# Altium PCB VM3300_V0.1.PcbDoc (part 1 of 2)
Units mil, origin at the board's own origin, x right, y up, seen from the top; angles counter-clockwise.
Board outline 5128.14 x 5521.84 mil, 2 copper layers (Top Layer, Bottom Layer), stack 61.855 mil thick; 144 components, 95 nets, 446 pads, 255 vias.
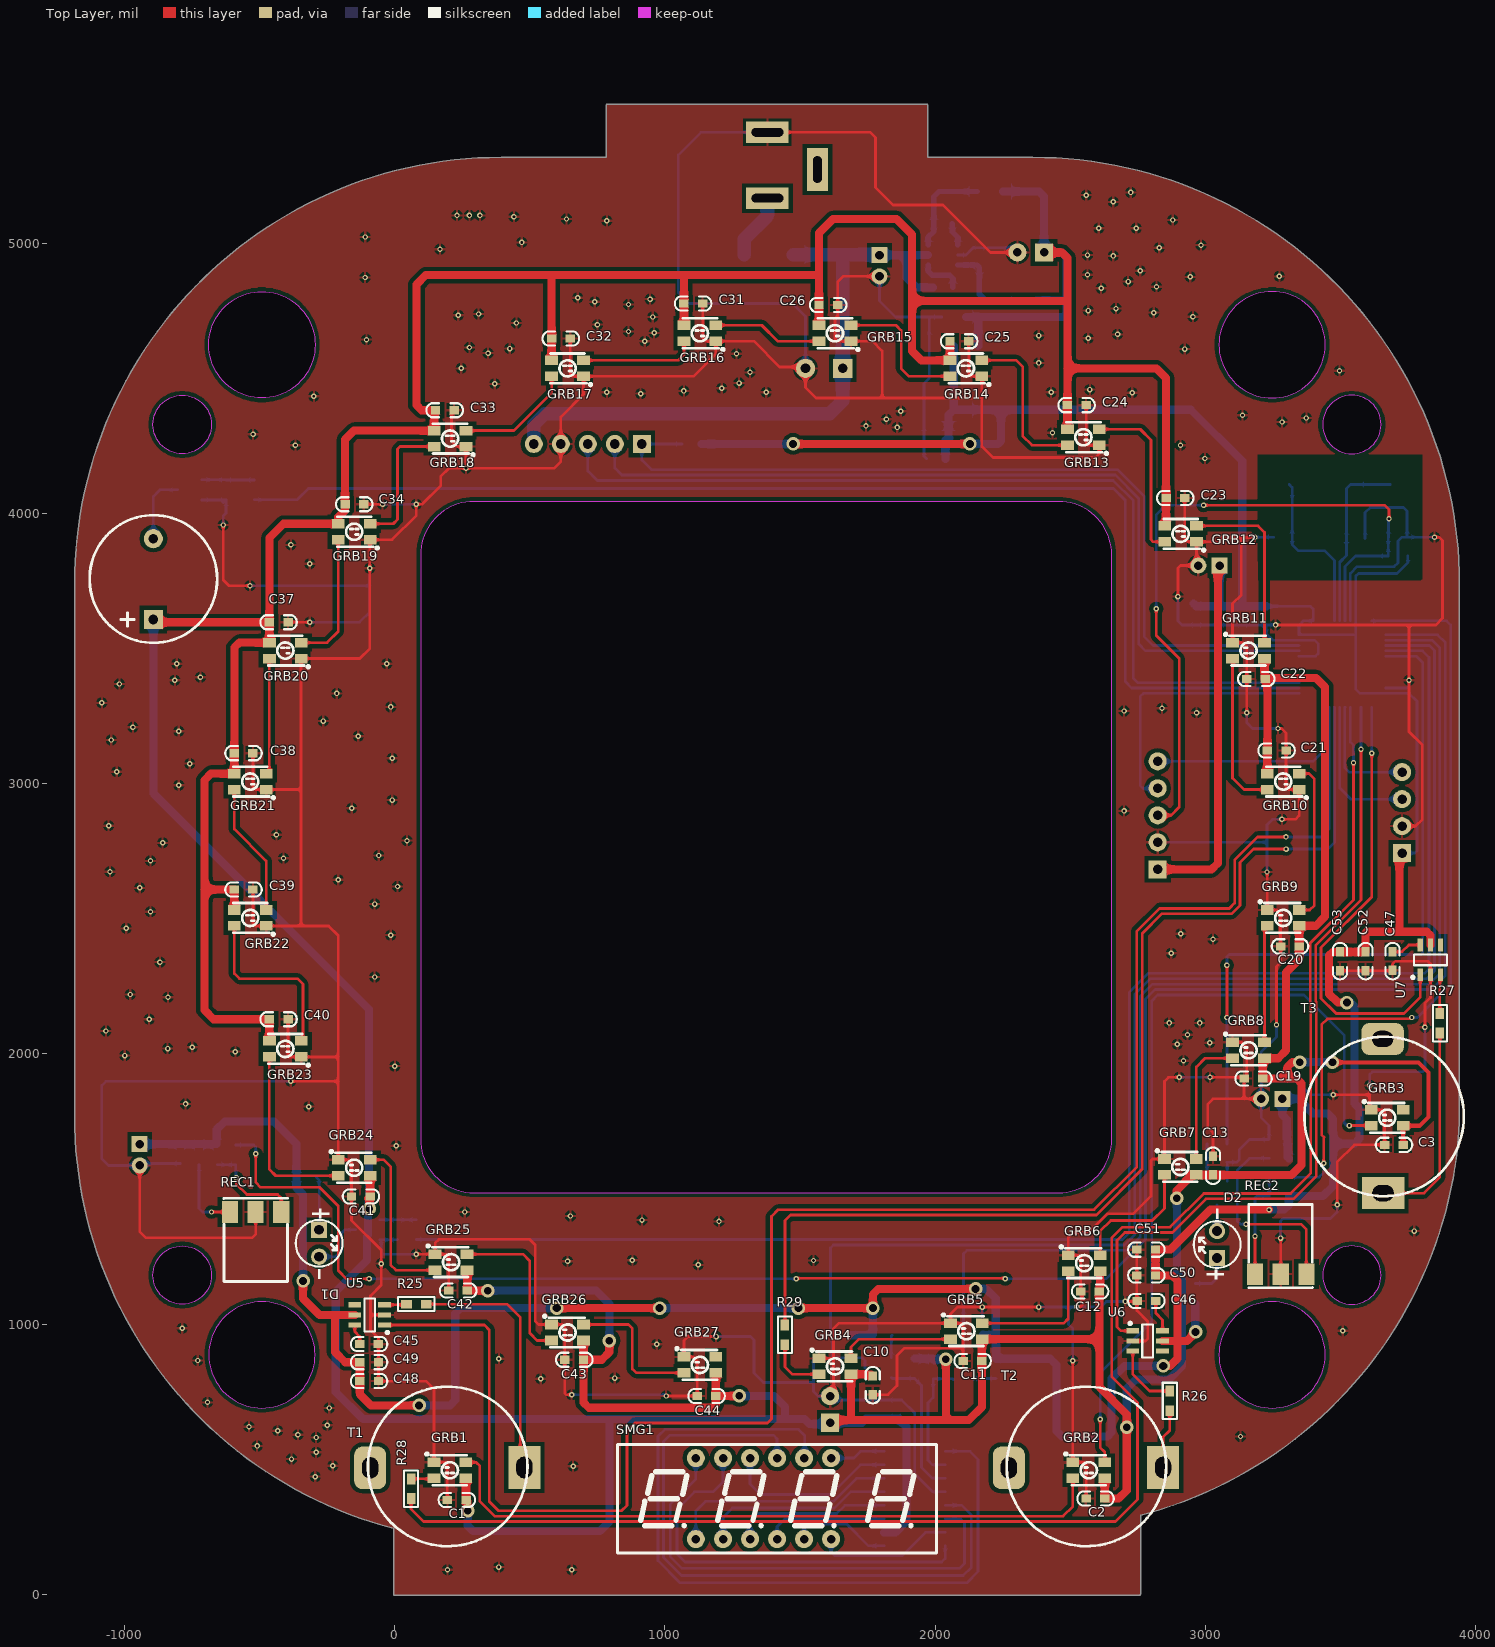
[diagram p0: Top Layer view]
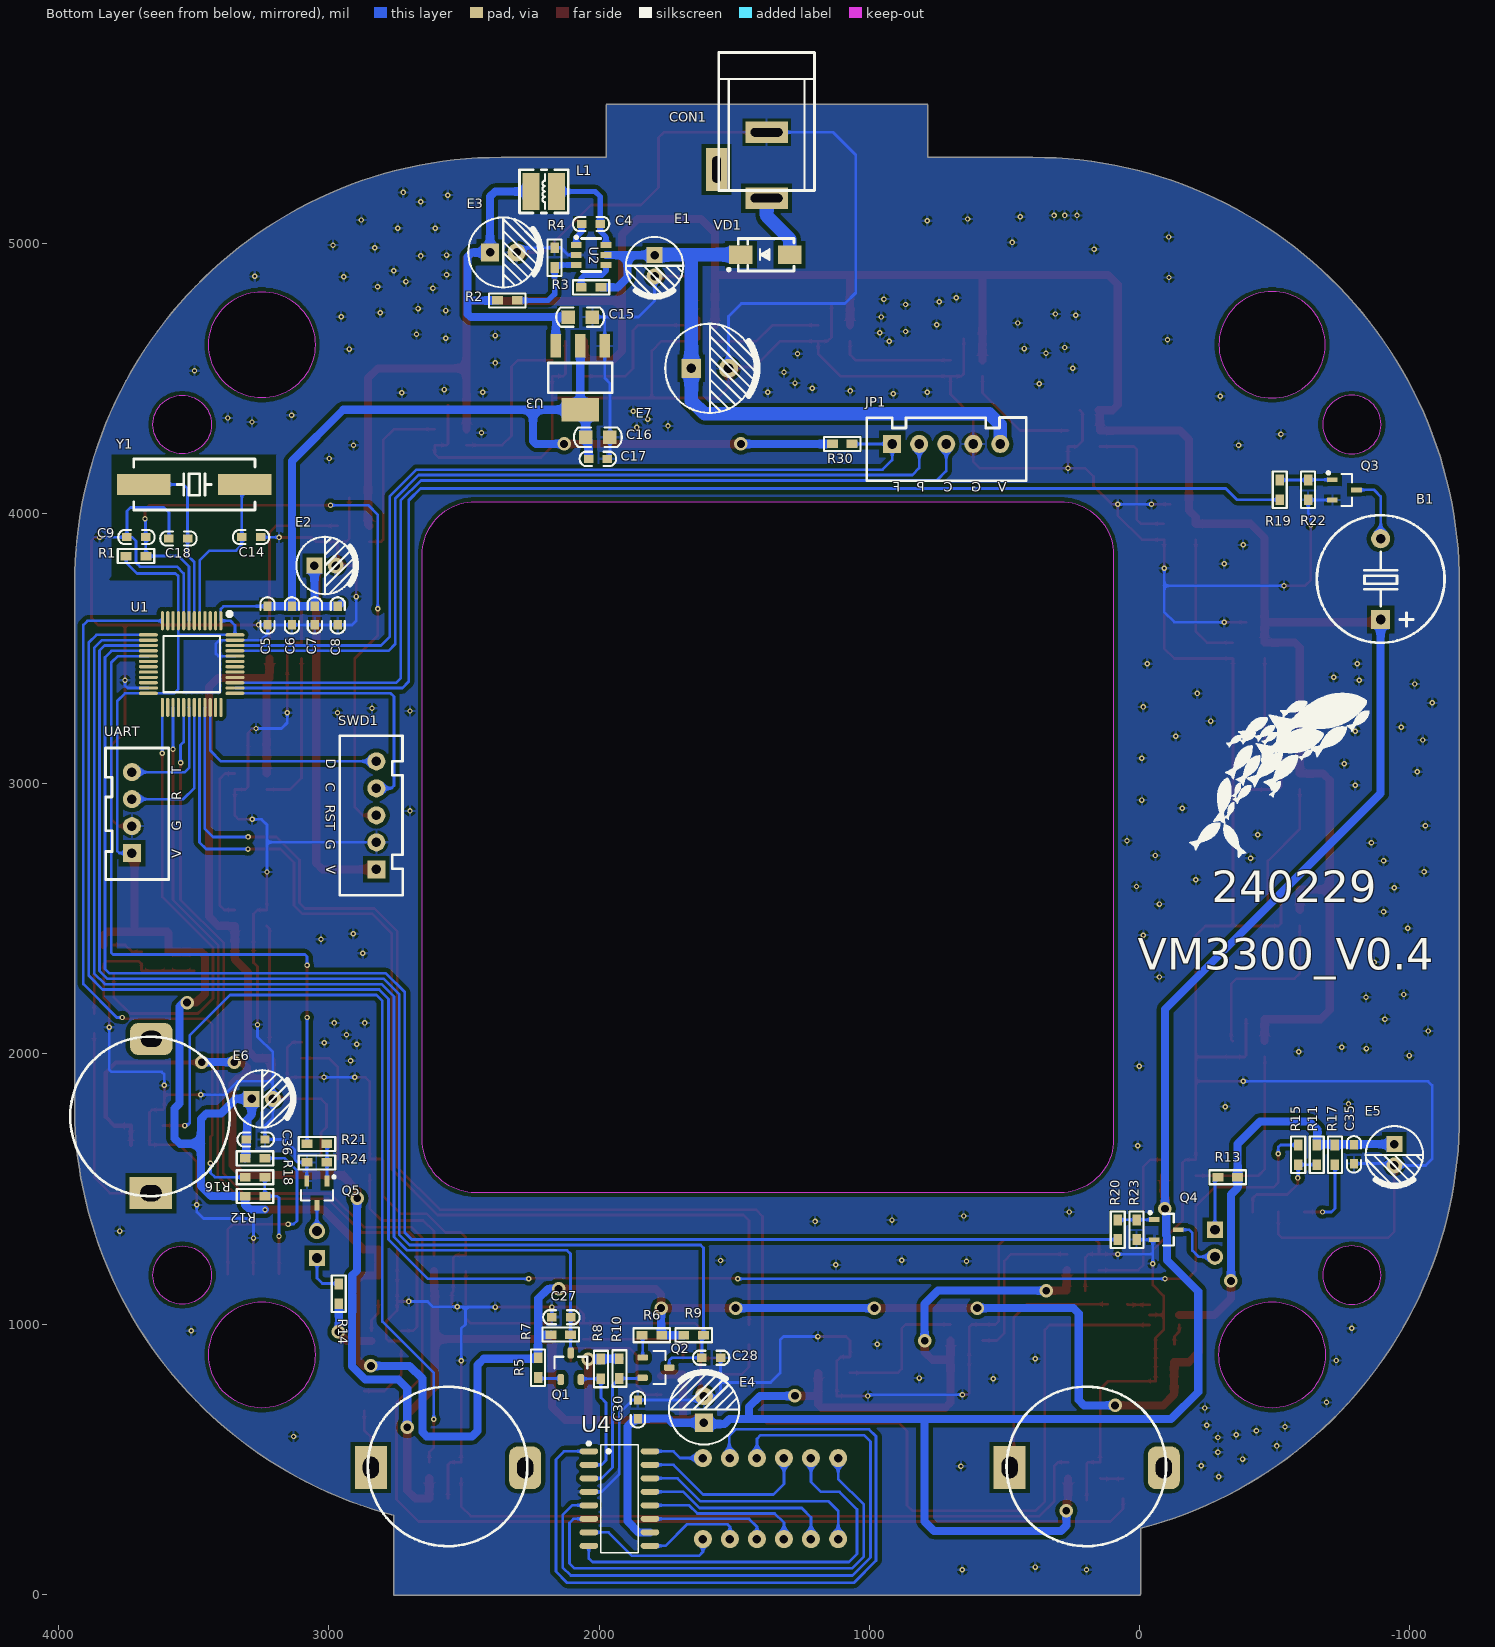
[diagram p1: Bottom Layer view, seen from below]
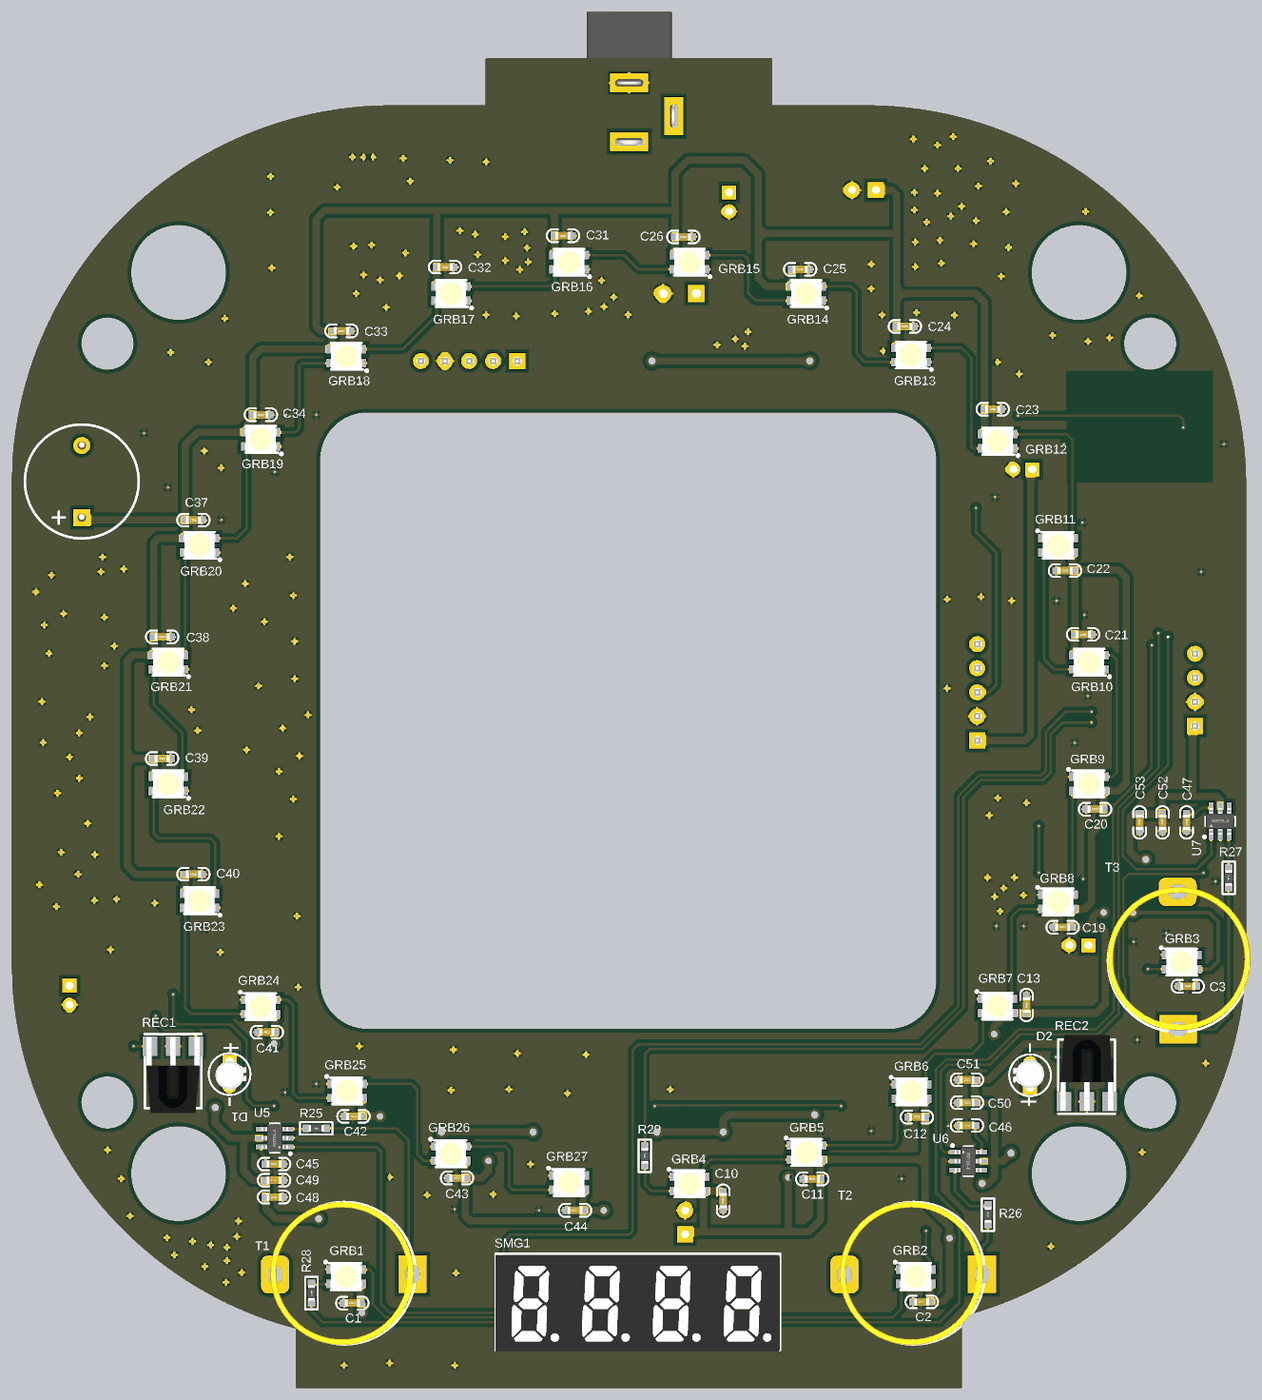
[diagram p3: 3D render of the assembled board from above, using the file's embedded part models]
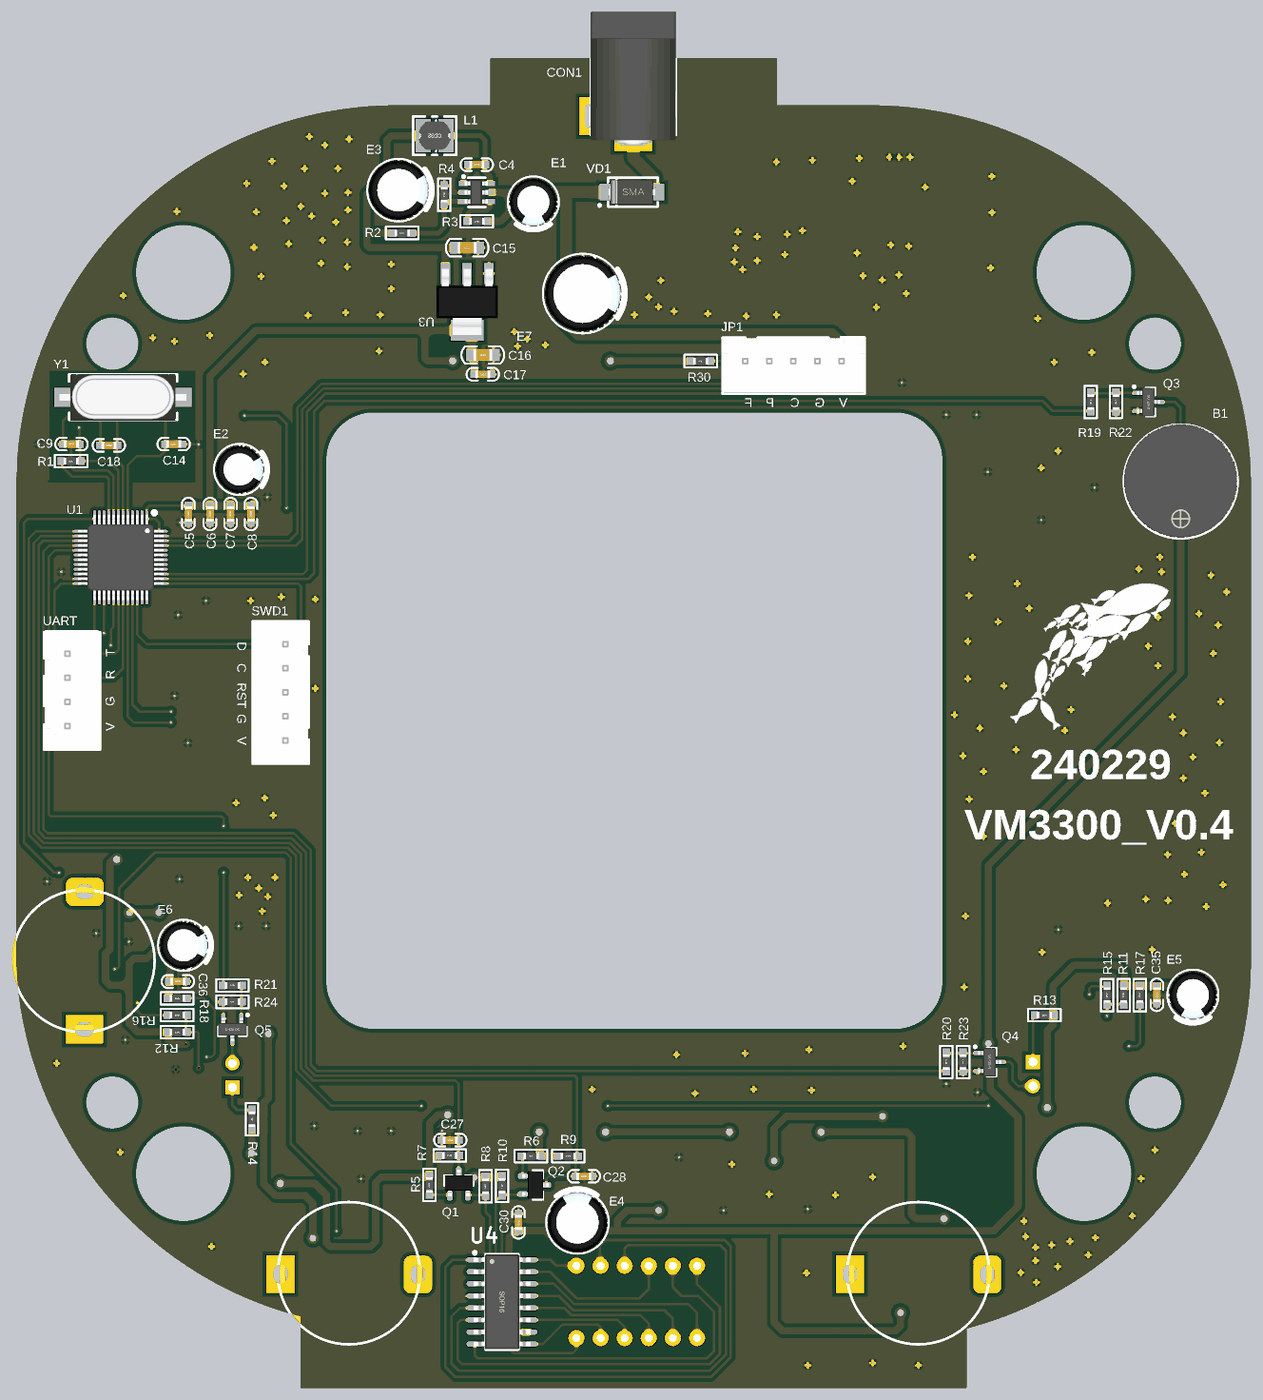
[diagram p4: 3D render of the assembled board from below, using the file's embedded part models]

## Layer stack, top to bottom
Top Solder: solder mask 0.4, Solder Resist, Dk 3.5
Top Layer: signal copper 1.4
Dielectric 1: dielectric 59.0551, FR-4, Dk 4.8
Bottom Layer: signal copper 1.4
Bottom Solder: solder mask 0.4, Solder Resist, Dk 3.5

## Board outline
-5.01,242.98 cw(c393.7,1771.65) -1186.12,1771.65 -1186.12,3740.16 cw(c393.7,3740.16) 393.7,5319.98 cw(c393.7,5314.96) 393.73,5319.98 782.39,5319.98 782.39,5511.81 cw(c787.4,5511.81) 787.4,5516.83 1968.5,5516.83 cw(c1968.5,5511.81) 1973.52,5511.81 1973.52,5319.98 2362.2,5319.98 cw(c2362.2,3740.16) 3942.02,3740.16 3942.02,1753.65 cw(c3937.01,1753.65) 3942.02,1753.43 cw(c2363.67,1821.59) 2760.92,292.53 2760.92,0 cw(c2755.91,0) 2755.91,-5.02 0,-5.02 cw(c0,0) -5.01,0
cut-out: 3051.18,885.83 ccw(c3248.03,885.83) 3248.03,688.98 ccw(c3248.03,885.83) 3444.88,885.83 ccw(c3248.03,885.83) 3248.03,1082.68 ccw(c3248.03,885.83)
cut-out: 3435.04,4330.71 ccw(c3543.31,4330.71) 3543.31,4222.44 ccw(c3543.31,4330.71) 3651.57,4330.71 ccw(c3543.31,4330.71) 3543.31,4438.98 ccw(c3543.31,4330.71)
cut-out: 3051.18,4625.98 ccw(c3248.03,4625.98) 3248.03,4429.13 ccw(c3248.03,4625.98) 3444.88,4625.98 ccw(c3248.03,4625.98) 3248.03,4822.83 ccw(c3248.03,4625.98)
cut-out: 3435.04,1181.1 ccw(c3543.31,1181.1) 3543.31,1072.83 ccw(c3543.31,1181.1) 3651.57,1181.1 ccw(c3543.31,1181.1) 3543.31,1289.37 ccw(c3543.31,1181.1)
cut-out: -787.4,1072.83 cw(c-787.4,1181.1) -895.67,1181.1 cw(c-787.4,1181.1) -787.4,1289.37 cw(c-787.4,1181.1) -679.13,1181.1 cw(c-787.4,1181.1)
cut-out: 95.38,1683.29 ccw(c292.23,1683.29) 292.23,1486.44 2457.59,1486.44 ccw(c2457.59,1683.29) 2654.44,1683.29 2654.44,3848.65 ccw(c2457.59,3848.65) 2457.59,4045.5 292.23,4045.5 ccw(c292.23,3848.65) 95.38,3848.65
cut-out: -492.13,4429.13 cw(c-492.13,4625.98) -688.98,4625.98 cw(c-492.13,4625.98) -492.13,4822.83 cw(c-492.13,4625.98) -295.28,4625.98 cw(c-492.13,4625.98)
cut-out: -787.4,4222.44 cw(c-787.4,4330.71) -895.67,4330.71 cw(c-787.4,4330.71) -787.4,4438.98 cw(c-787.4,4330.71) -679.13,4330.71 cw(c-787.4,4330.71)
cut-out: -688.98,885.83 ccw(c-492.13,885.83) -492.13,688.98 ccw(c-492.13,885.83) -295.28,885.83 ccw(c-492.13,885.83) -492.13,1082.68 ccw(c-492.13,885.83)

## Design rules (kind name [scope] priority, off if disabled: settings)
Clearance Clearance_1 [All vs HasFootprint('STM32F030C8T6')] p1: gap=7 ignorepadtopadclearanceinfootprint=FALSE
Clearance [All] p2: gap=7 ignorepadtopadclearanceinfootprint=FALSE
HoleSize [All] p1: absolutevalues=TRUE maxlimit=120 minlimit=1 maxpercent=80.000 minpercent=20.000
MinimumSolderMaskSliver [All] p1: minsoldermaskwidth=7
PolygonConnect [All] p1: connectstyle=Relief reliefconductorwidth=10 reliefentries=4 polygonreliefangle="90 Angle" airgapwidth=10
RoutingVias [All] p1: holewidth=10 width=20 viastyle="Through Hole" minholewidth=10 minwidth=20 maxholewidth=30 maxwidth=50
SilkToSolderMaskClearance [IsPad] p1: minsilkscreentomaskgap=0 clearancetoexposedcopper=TRUE
SolderMaskExpansion [All] p1: expansion=4
Width [All] p1: maxlimit=50 minlimit=10 preferedwidth=10 minimp=50.000000 maximp=50.000000 favimp=50.000000
27 further rules are at their usual default settings.

## Components (designator, comment, footprint, x,y, rotation, side; value= is the part's Value field where it differs from the comment)
B1 "DC5V" "BEEP 7.6x12x7.5" -894.67,3758.65 r180 bottom
C1 "100nF" "C 0603" 229.44,348.65 r0 top
C2 "100nF" "C 0603" 2594.44,353.65 r0 top
C3 "100nF" "C 0603" 3699.44,1663.65 r0 top
C4 "100nF" "C 0603" 2029.44,5073.65 r180 bottom
C5 "100nF" "C 0603" 3227.43,3623.65 r90 bottom
C6 "100nF" "C 0603" 3137.43,3623.65 r90 bottom
C7 "100nF" "C 0603" 3052.43,3623.65 r90 bottom
C8 "100nF" "C 0603" 2967.43,3623.65 r90 bottom
C9 "100nF" "C 0603" 3712.94,3913.65 r180 bottom
C10 "100nF" "C 0603" 1769.44,773.65 r90 top
C11 "100nF" "C 0603" 2139.44,863.65 r0 top
C12 "100nF" "C 0603" 2574.44,1120.82 r0 top
C13 "100nF" "C 0603" 3029.44,1585.98 r270 top
C14 "22pF" "C 0603" 3288.36,3913.65 r0 bottom
C15 "10uF/16V" "C 0805" 2069.44,4728.65 r0 bottom
C16 "10uF/16V" "C 0805" 2004.44,4283.65 r0 bottom
C17 "100nF" "C 0603" 2004.44,4203.65 r0 bottom
C18 "22pF" "C 0603" 3557.44,3908.65 r180 bottom
C19 "100nF" "C 0603" 3179.44,1908.65 r0 top
C20 "100nF" "C 0603" 3314.44,2398.65 r0 top
C21 "100nF" "C 0603" 3264.91,3123.65 r180 top
C22 "100nF" "C 0603" 3189.44,3388.65 r0 top
C23 "100nF" "C 0603" 2889.44,4058.65 r180 top
C24 "100nF" "C 0603" 2524.44,4402.25 r180 top
C25 "100nF" "C 0603" 2089.44,4639.12 r180 top
C26 "100nF" "C 0603" 1604.44,4773.65 r180 top
C27 "100pF" "C 0603" 2139.44,1025.02 r180 bottom
C28 "100pF" "C 0603" 1585,875.15 r0 bottom
C30 "100nF" "C 0603" 1856.34,683.65 r270 bottom
C31 "100nF" "C 0603" 1104.44,4778.65 r180 top
C32 "100nF" "C 0603" 614.44,4648.65 r180 top
C33 "100nF" "C 0603" 184.44,4383.65 r180 top
C34 "100nF" "C 0603" -150.56,4035.43 r180 top
C35 "100nF" "C 0603" -795,1628.28 r270 bottom
C36 "100nF" "C 0603" 3270.87,1683.65 r180 bottom
C37 "100nF" "C 0603" -430.56,3598.65 r180 top locked
C38 "100nF" "C 0603" -560.56,3113.65 r180 top locked
C39 "100nF" "C 0603" -560.56,2608.65 r180 top
C40 "100nF" "C 0603" -430.56,2128.65 r180 top
C41 "100nF" "C 0603" -125.56,1472.65 r0 top
C42 "100nF" "C 0603" 234.44,1123.65 r0 top
C43 "100nF" "C 0603" 664.44,867.65 r0 top
C44 "100nF" "C 0603" 1154.44,733.65 r0 top
C45 "10nF" "C 0603" -95.56,925.5 r0 top
C46 "10nF" "C 0603" 2782.43,1085.66 r180 top
C47 "10nF" "C 0603" 3694.44,2343.65 r270 top
C48 "100nF" "C 0603" -95.56,788.65 r180 top
C49 "1uF" "C 0603" -95.56,858.65 r180 top
C50 "100nF" "C 0603" 2782.43,1180.34 r0 top
C51 "1uF" "C 0603" 2782.43,1275.34 r0 top
C52 "100nF" "C 0603" 3594.44,2343.65 r90 top
C53 "1uF" "C 0603" 3499.44,2343.65 r90 top
CON1 "3.5*1.3" DC-005 1379.44,5412.74 r90 bottom locked
D1 "HC-F3-C06A" HC-F3-C06A -285.56,1299.22 r270 top
D2 "HC-F3-C06A" HC-F3-C06A 3049.44,1294.22 r90 top locked
E1 "100uF/25V" "CAP 2.0*5*11 - BK" 1794.44,4918.65 r270 bottom
E2 "100uF/16V" "CAP 2.0*5*11 - BK" 3014.44,3808.65 r180 bottom
E3 "470uF/10V" "CAP 2.5*6.3*11.2 - BK" 2354.44,4967.86 r180 bottom
E4 "470uF/10V" "CAP 2.5*6.3*11.2 - BK" 1611.34,683.65 r90 bottom
E5 "100uF/16V" "CAP 2.0*5*11 - BK" -945,1626.52 r270 bottom
E6 "100uF/16V" "CAP 2.0*5*11 - BK" 3246.95,1833.65 r180 bottom
E7 "220uF/35V" "CAP 3.5*8*11.5 - BK" 1589.44,4538.65 r180 bottom
GRB1 "WS2812B" WS2812B-3528 203.57,458.65 r180 top locked
GRB2 "WS2812B" WS2812B-3528 2569.44,458.65 r180 top locked
GRB3 "WS2812B" WS2812B-3528 3674.44,1763.65 r180 top locked
GRB4 "WS2812B" WS2812B-3528 1629.76,843.28 r180 top locked
GRB5 "WS2812B" WS2812B-3528 2116.2,973.62 r180 top locked
GRB6 "WS2812B" WS2812B-3528 2552.34,1225.42 r180 top locked
GRB7 "WS2812B" WS2812B-3528 2908.44,1581.52 r180 top locked
GRB8 "WS2812B" WS2812B-3528 3160.78,2013.65 r180 top locked
GRB9 "WS2812B" WS2812B-3528 3289.44,2503.65 r180 top locked
GRB10 "WS2812B" WS2812B-3528 3289.44,3008.65 r0 top
GRB11 "WS2812B" WS2812B-3528 3160.78,3493.65 r180 top locked
GRB12 "WS2812B" WS2812B-3528 2909.44,3925.83 r0 top
GRB13 "WS2812B" WS2812B-3528 2549.44,4283.65 r0 top
GRB14 "WS2812B" WS2812B-3528 2114.44,4538.73 r0 top
GRB15 "WS2812B" WS2812B-3528 1629.44,4668.65 r0 top
GRB16 "WS2812B" WS2812B-3528 1129.44,4668.65 r0 top
GRB17 "WS2812B" WS2812B-3528 639.44,4538.65 r0 top locked
GRB18 "WS2812B" WS2812B-3528 204.44,4278.65 r0 top
GRB19 "WS2812B" WS2812B-3528 -150.56,3933.65 r0 top
GRB20 "WS2812B" WS2812B-3528 -405.56,3493.65 r0 top locked
GRB21 "WS2812B" WS2812B-3528 -535.56,3008.65 r0 top locked
GRB22 "WS2812B" WS2812B-3528 -535.56,2503.65 r0 top
GRB23 "WS2812B" WS2812B-3528 -405.56,2018.65 r0 top
GRB24 "WS2812B" WS2812B-3528 -150.56,1578.65 r180 top locked
GRB25 "WS2812B" WS2812B-3528 208.02,1229.09 r180 top locked
GRB26 "WS2812B" WS2812B-3528 639.44,968.65 r180 top locked
GRB27 "WS2812B" WS2812B-3528 1129.44,848.65 r180 top locked
JP1 "HDR-1X5" XH2.54-5P 914.44,4258.65 r180 bottom
L1 "4.7uH" CD32 2204.44,5193.65 r0 bottom
Q1 "AO3400A" SOT23-3 2104.44,843.65 r90 bottom
Q2 "AO3400A" SOT23-3 1789.44,838.65 r180 bottom
Q3 "S8050" SOT23-3L -760.56,4088.65 r270 bottom
Q4 "SS8050" SOT23-3L -100.56,1349.22 r270 bottom
Q5 "SS8050" SOT23-3L 3044.44,1484.79 r0 bottom
R1 "10K" "R 0603" 3714.44,3843.65 r0 bottom
R2 "27K" "R 0603" 2339.44,4790.01 r0 bottom
R3 "100K" "R 0603" 2029.44,4838.65 r0 bottom
R4 "5.1K" "R 0603" 2164.44,4948.65 r270 bottom
R5 "2K" "R 0603" 2225.91,838.65 r90 bottom
R6 "2K" "R 0603" 1804.44,958.65 r180 bottom
R7 "10K" "R 0603" 2141.84,961.16 r0 bottom
R8 "10K" "R 0603" 1992.94,833.65 r90 bottom
R9 "10K" "R 0603" 1649.44,958.65 r0 bottom
R10 "10K" "R 0603" 1924.44,835.15 r90 bottom
R11 "36K" "R 0603" -657.38,1626.52 r90 bottom
R12 "36K" "R 0603" 3273.73,1473.65 r0 bottom
R13 "5.1K" "R 0603" -328.1,1543.65 r0 bottom
R14 "5.1K" "R 0603" 2963.52,1111.66 r90 bottom
R15 "1K" "R 0603" -588.71,1626.52 r90 bottom
R16 "1K" "R 0603" 3273.73,1543.65 r0 bottom
R17 "100R" "R 0603" -725,1626.52 r90 bottom
R18 "100R" "R 0603" 3273.73,1613.63 r0 bottom
R19 "1K" "R 0603" -520.56,4088.65 r90 bottom
R20 "10K" "R 0603" 79.44,1349.22 r90 bottom
R21 "10K" "R 0603" 3044.44,1666.78 r180 bottom
R22 "10K" "R 0603" -625.56,4088.65 r90 bottom
R23 "4.7K" "R 0603" 9.44,1349.22 r90 bottom
R24 "4.7K" "R 0603" 3044.44,1598.65 r180 bottom
R25 "1K" "R 0603" 79.44,1073.65 r180 top
R26 "1K" "R 0603" 2869.44,715.35 r90 top
R27 "1K" "R 0603" 3869.44,2113.65 r90 top
R28 "1K" "R 0603" 60,390.17 r270 top
R29 "1K" "R 0603" 1444.44,960 r90 top
R30 "4.7K" "R 0603" 1099.44,4258.65 r0 bottom
REC1 "HC-1538LD" HC-1538LD-W -515.56,1475 r180 top
REC2 "HC-1538LD" HC-1538LD-W 3280,1125 r0 top
SMG1 "2843A" "SMG 0.28_4P_JOANLAB" 824.67,553.65 r0 top
SWD1 "HDR-1X5" SWD_JOANLAB 2824.44,3083.65 r270 bottom
T1 "TH_Touch" TH_Touch -53.43,471.17 r90 top locked
T2 "TH_Touch" TH_Touch 2311.57,471.17 r90 top locked
T3 "TH_Touch" TH_Touch 3661.42,2017.66 r0 top locked
U1 "STM32F030C8T6" STM32F030C8T6 3508.43,3443.65 r0 bottom
U2 "ME3116AM6G" ME3116AM6G 2029.44,4958.65 r180 bottom
U3 "AMS1117-3.3" AMS1117-3.3 2069.44,4503.65 r90 bottom
U4 "TM1650" TM1650 1924.44,348.65 r180 bottom
U5 "TK8021" TK8021 -93.15,1033.65 r90 top
U6 "TK8021" TK8021 2787.43,937.34 r270 top
U7 "TK8021" TK8021 3834.44,2348.65 r0 top
UART "HDR-1X4" XH2.54-4P 3729.44,2743.65 r90 bottom
VD1 "SS34" SMA 1384.44,4959.47 r0 bottom
Y1 "8MHz" "XTAL-49S SMD" 3498.59,4108.65 r180 bottom

## Footprints (in the part's own frame and the unit in brackets; to place one, negate y for a bottom-side part, rotate by r counter-clockwise, add the part's x,y. Pads: shape width x height; smd on the part's side, far side on the other; paste and mask are expansions set on the pad)
AMS1117-3.3 [mm]
  rect 2.2x1 smd: 1(3,-2.3) 2(3,0) 3(3,2.3)
  rect 2.2x3.5 smd: 2(-3,0)
  silkscreen extent -1.4,-3 1.4,3, body extent -3.49,-3.24 3.49,3.24, height 1.64
"BEEP 7.6x12x7.5" [mm] "6.5*12*7.5mm(脚距,直径,高度)"
  rect 1.8x1.8 hole 0.9: 1(-0.011,-3.811)
  round 1.8 hole 0.9: 2(-0.011,3.789)
  silkscreen extent -6.01,-6 5.99,6, body extent -6.01,-5.93 5.99,6.07, height 7.55
"C 0603" [mil] "无极性贴片电容"
  rect 35x30 smd: 1(-35,0) 2(34,0)
  silkscreen extent -67,-26 67,26, body extent -31,-16 31,16, height 32
"C 0805" [mil] "无极性贴片电容"
  rect 50x50 smd: 1(-45,0) 2(45,0)
  silkscreen extent -89,-36 89,36, body extent -39,-24 39,24, height 20
"CAP 2.0*5*11 - BK" [mm] "脚距2mm直径5mm高度11mm"
  rect 1.5x1.5 hole 0.8: 1(-1,0)
  round 1.5 hole 0.8: 2(1,0)
  silkscreen extent -2.7,-2.7 2.96,2.7, body extent -2.5,-2.5 2.51,2.5, height 11.04
"CAP 2.5*6.3*11.2 - BK" [mm] "脚距2.5mm直径6.3mm高度11.2mm"
  rect 1.7x1.7 hole 0.8: 1(-1.25,0)
  round 1.7 hole 0.8: 2(1.25,0)
  silkscreen extent -3.3,-3.3 3.56,3.3, body extent -3.15,-3.15 3.16,3.15, height 11.24
"CAP 3.5*8*11.5 - BK" [mm] "脚距3.5mm直径8mm高度11.5mm"
  rect 1.8x1.8 hole 0.9: 1(-1.75,0)
  round 1.8 hole 0.9: 2(1.75,0)
  silkscreen extent -4.2,-4.2 4.5,4.2, body extent -4,-4 4.01,4, height 11.54
CD32 [mm] "3.5*3*2mm（长宽高）"
  rect 1.6x3.5 smd: 1(-1.2,0) 2(1.2,0)
  silkscreen extent -2.29,-2.03 2.29,2.03, body extent -1.71,-1.5 1.71,1.5, height 2.15
DC-005 [mm] "5.5*2.1mm，DC30V,2.5A"
  rect 2x4 hole 0.8 slot 3 at 90 deg: 1(-6.2,0) 2(0,0)
  rect 4x2 hole 0.8 slot 2.5 at 0 deg: 3(-3.5,4.7)
  silkscreen extent -5.48,-4.5 7.5,4.5, body extent -6.55,-4.5 7.5,4.8, height 11.2
HC-1538LD-W [mil] "红外接收管卧"
  rect 60x80 smd: 1(-95,60) 2(0,60) 3(95,60)
  silkscreen extent -118,10 118,318, body extent -110,22 110,337, height 142
HC-F3-C06A [mil] "红外发射管"
  rect 60x60 hole 36: 1(-50,5)
  round 60 hole 36: 2(50,5)
  silkscreen extent -128,-82 132,92, body extent -71,-71 67,81, height 59
ME3116AM6G [mm] "SOT-23-6"
  rect 1x0.55 smd: 1(-1.4,0.95) 2(-1.4,0) 3(-1.4,-0.95) 4(1.4,-0.95) 5(1.4,0) 6(1.4,0.95)
  silkscreen extent -1.52,-1.55 0.9,1.78, body extent -1.27,-1.4 1.16,1.4, height 1.09
"R 0603" [mil] "1/10W贴片电阻"
  rect 40x31.5 smd: 1(-36.5,0) 2(36.5,0)
  silkscreen extent -68,-26 68,26, body extent -31,-16 31,16, height 16
SMA [mm] "4.5x2.6*2.2mm（长宽高，不包括引脚）"
  rect 2.2x1.75 smd: 1(-2.3,0) 2(2.3,0)
  silkscreen extent -2.7,-1.52 3.56,1.52, body extent -2.52,-1.3 2.57,1.3, height 2.15
"SMG 0.28_4P_JOANLAB" [mm] "30*10.2*6mm(长宽厚)"
  round 1.7 hole 0.8: 1(7.36,-8.89) 2(9.92,-8.89) 3(12.46,-8.89) 4(15,-8.89) 5(17.54,-8.89) 6(20.08,-8.89) 7(20.08,-1.27) 8(17.54,-1.27) 9(15,-1.27) 10(12.46,-1.27) 11(9.92,-1.27) 12(7.36,-1.27)
  silkscreen extent 0,-10.2 30,0, body extent 0,-10.3 30,-0.1, height 4.2
SOT23-3 [mm] "SOT23, 3-Leads, Body 3.1x3.0mm (max), Pitch 0.95mm, IPC Medium Density"
  rrect50% 1x0.6 smd: 1(-1.246,0.95) 2(-1.246,-0.95) 3(1.246,0)
  silkscreen extent -0.2,-1.55 0.9,1.55, body extent -1.3,-1.45 1.5,1.45, height 1.2
SOT23-3L [mm] "3x1.3x1mm(长宽高)"
  rect 0.45x1 smd: 1(-0.95,-1.143) 2(0.95,-1.143) 3(0,1.125)
  silkscreen extent -1.72,-1.65 1.5,0.7, body extent -1.5,-1.2 1.5,1.2, height 1.05
STM32F030C8T6 [mm]
  oval 0.3x1.8 smd: 1(-2.75,-4.073) 2(-2.25,-4.073) 3(-1.75,-4.073) 4(-1.25,-4.073) 5(-0.75,-4.073) 6(-0.25,-4.073) 7(0.25,-4.073) 8(0.75,-4.073) 9(1.25,-4.073) 10(1.75,-4.073) 11(2.25,-4.073) 12(2.75,-4.073) 25(2.75,4.073) 26(2.25,4.073) 27(1.75,4.073) 28(1.25,4.073) 29(0.75,4.073) 30(0.25,4.073) 31(-0.25,4.073) 32(-0.75,4.073) 33(-1.25,4.073) 34(-1.75,4.073) 35(-2.25,4.073) 36(-2.75,4.073)
  oval 1.8x0.3 smd: 13(4.073,-2.75) 14(4.073,-2.25) 15(4.073,-1.75) 16(4.073,-1.25) 17(4.073,-0.75) 18(4.073,-0.25) 19(4.073,0.25) 20(4.073,0.75) 21(4.073,1.25) 22(4.073,1.75) 23(4.073,2.25) 24(4.073,2.75) 37(-4.073,2.75) 38(-4.073,2.25) 39(-4.073,1.75) 40(-4.073,1.25) 41(-4.073,0.75) 42(-4.073,0.25) 43(-4.073,-0.25) 44(-4.073,-0.75) 45(-4.073,-1.25) 46(-4.073,-1.75) 47(-4.073,-2.25) 48(-4.073,-2.75)
  silkscreen extent -3.68,-4.83 2.65,2.65, body extent -4.5,-4.5 4.5,4.5, height 1.05
SWD_JOANLAB [mm] "接插件，5P"
  rect 1.7x1.7 hole 0.9: 1(10.16,0)
  round 1.7 hole 0.9: 2(7.62,0) 3(5.08,0) 4(2.54,0) 5(0,0)
  silkscreen extent -2.4,-3.45 12.6,2.49, body extent -2.5,-3.3 12.66,2.4, height 7.03
TH_Touch [mm]
  rect 4x3 hole 2 slot 1.5 at 90 deg: 1(-0.062,-13.535)
  rrect50% 4x3 hole 2 slot 1.5 at 90 deg: 2(-0.102,0.965)
  silkscreen extent -7.46,-13.82 7.54,1.17, body extent -7.53,-13.64 7.57,1.46, height 8
TK8021 [mm] "3x1.6x1.1mm(长宽高)"
  rect 0.5x1.2 smd: 1(-0.95,-1.4) 2(0,-1.4) 3(0.95,-1.4) 4(0.95,1.4) 5(0,1.4) 6(-0.95,1.4)
  silkscreen extent -1.78,-1.78 1.55,0.51, body extent -1.5,-1.4 1.5,1.4, height 1.15
TM1650 [mm]
  oval 1.745x0.56 smd: 1(-2.872,4.572) 2(-2.872,3.302) 3(-2.872,2.032) 4(-2.872,0.762) 5(-2.872,-0.508) 6(-2.872,-1.778) 7(-2.872,-3.048) 8(-2.872,-4.318) 9(2.872,-4.318) 10(2.872,-3.048) 11(2.872,-1.778) 12(2.872,-0.508) 13(2.872,0.762) 14(2.872,2.032) 15(2.872,3.302) 16(2.872,4.572)
  silkscreen extent -3.02,-4.95 1.77,5.45, body extent -3,-4.87 3,5.13, height 1.9
WS2812B-3528 [mm] "外观尺寸（L/W/H）:3.5*2.8*1.9mm"
  rect 1.2x0.9 smd: 1(-1.5,0.75) 2(-1.5,-0.75) 3(1.5,-0.75) 4(1.5,0.75)
  silkscreen extent -1.6,-1.65 2.29,1.4, body extent -1.75,-1.4 1.75,1.4, height 1.85
XH2.54-4P [mm] "接插件，4P"
  rect 1.7x1.7 hole 0.9: 1(0,0)
  round 1.7 hole 0.9: 2(2.54,0) 3(5.08,0) 4(7.62,0)
  silkscreen extent -2.49,-3.45 9.88,2.49, body extent -2.5,-3.3 10.12,2.4, height 7.03
XH2.54-5P [mm] "接插件，5P"
  rect 1.7x1.7 hole 0.9: 1(0,0)
  round 1.7 hole 0.9: 2(2.54,0) 3(5.08,0) 4(7.62,0) 5(10.16,0)
  silkscreen extent -2.4,-3.45 12.6,2.49, body extent -2.5,-3.3 12.66,2.4, height 7.03
"XTAL-49S SMD" [mm]
  rect 5x2 smd: 1(-4.75,0) 2(4.75,0)
  silkscreen extent -5.7,-2.4 5.7,2.4, body extent -6.7,-2.46 6.7,2.44, height 4

## Part data
B1: library part BEEP, "蜂鸣器", BOM名称=蜂鸣器, 学习资源=www.ooocke.com, 版权归属=源创客
C1 C2 C3 C4 C5 C6 C7 C8 C9 C10 C11 C12 C13 C14 C15 C16 C17 C18 C19 C20 C21 C22 C23 C24 C25 C26 C27 C28 C30 C31 C32 C33 C34 C35 C36 C37 C38 C39 C40 C41 C42 C43 C44 C45 C46 C47 C48 C49 C50 C51 C52 C53: library part C, "无极性贴片电容", BOM名称=无极性贴片电容, 学习资源=www.ooocke.com, 版权归属=源创客
CON1: library part P-DC, "低压电源接口", BOM名称=DC电源接口, 学习资源=www.ooocke.com, 版权归属=源创客
D1 D2: "红外发射管"
E1 E2 E3 E4 E5 E6 E7: library part C-CAP, "直插电解电容", BOM名称=直插电解电容, 学习资源=www.ooocke.com, 版权归属=源创客
JP1 SWD1: library part "Header 5", "5P接插件", BOM名称=5P接插件, 学习资源=www.ooocke.com, 版权归属=源创客
L1: library part L-CD, "贴片功率电感", BOM名称=功率电感, 学习资源=www.ooocke.com, 版权归属=源创客
Q1 Q2: "N-MOS"
Q3 Q4 Q5: library part NPN
R1 R2 R3 R4 R5 R6 R7 R8 R9 R10 R11 R12 R13 R14 R15 R16 R17 R18 R19 R20 R21 R22 R23 R24 R25 R26 R27 R28 R29 R30: library part R, "贴片电阻", BOM名称=贴片电阻, 学习资源=www.ooocke.com, 版权归属=源创客
REC1 REC2: "红外接收管"
SMG1: "JOANLAB-0.28寸4位共阴数码管"
T1 T2 T3: "触摸弹簧，用于触摸感应"
U1: "STM32F030采用ARM Cortex内核，运算速度高达48 MHz。STM32F030是STM32系列中价格最低的产品，具有全套外设，例如高速12位ADC、先进且灵活的定时器、日历RTC和通"
U2: "DC-DC电源芯片  24-40V->5V"
U3: "转3.3V电压"
U4: "TM1650是一种带键盘扫描接口的LED（发光二极管显示器）驱动控制专用IC,内部集成有MCU / 数字接口、数据锁存器、LE"
U5 U6 U7: library part TTP2233, "单通道自校正触摸感应芯片"
UART: library part "Header 4", "4P接插件", BOM名称=4P接插件, 学习资源=www.ooocke.com, 版权归属=源创客
VD1: "肖特基二极管"
Y1: library part XTAL-2, "2脚晶振", BOM名称=2脚晶振, 学习资源=www.ooocke.com, 版权归属=源创客

## Via types
v1: diameter 20, hole 10, Top Layer to Bottom Layer, 175 vias
v2: diameter 20, hole 10, Top Layer to Bottom Layer, tented both sides, 58 vias
v3: diameter 50, hole 30, Top Layer to Bottom Layer, tented both sides, 12 vias
v4: diameter 50, hole 28, Top Layer to Bottom Layer, tented both sides, 10 vias

## Nets (pads, with @x,y where several pads share a name; then routed paths per layer and width w, separated by ;. In a path a pad name is that pad's centre, name@x,y a point inside that pad or via, vN(x,y) a via of type N, cw(c..) or ccw(c..) an arc to the next point about the centre after c; other vN are vias at no path point)
3.3V: C5.2 C6.2 C7.2 C8.2 C16.2 C17.2 C35.1 C36.1 C48.2 C49.2 C50.2 C51.2 C52.2 C53.2 E2.1 E5.1 E6.1 R1.2 R5.2 R6.2 R7.2 R9.2 R11.2 R12.2 R13.1 R14.1 R17.2 R18.2 R30.2 SWD1.1 U1.1 U1.9 U1.24 U1.48 U3.2 U5.5 U6.5 U7.5 UART.1 | length 17223.8
  Top Layer w10: v3@2128.95,4258.65 v3(2129.44,4259.13)
  Top Layer w30: v3(-340,1160) -340,1095 -278.65,1033.65 -221.82,1033.65 ; U5.5@-148.27,1033.65 -221.82,1033.65 ; v3(89.44,699.02) -89.02,699.02 -129.56,739.56 C48.2@-129.56,788.65 C49.2@-129.56,858.65 -183.66,858.65 -221.82,896.81 -221.82,1033.65 ; v3(599.44,1058.65) v3(980,1058.65) ; v3(1474.44,4258.65) v3@2128.95,4258.65 ; v3(1494.44,1058.65) v3(1770,1058.65) 1770,1110.08 1789.92,1130 v3(2150,1130) ; SWD1.1@2824.44,2683.65 3024.44,2683.65 3047.09,2706.3 3047.09,3801.93 E2.1@3053.81,3808.65 ; U6.5@2842.55,937.34 2897.43,937.34 ; v3(2845,845) 2870.33,845 2897.43,872.11 2897.43,937.34 ; v3(2965,971.16) 2965,969.21 2933.13,937.34 2897.43,937.34 ; v2(3236.91,1423.65) 3019.72,1423.65 2871.41,1275.34 C51.2@2816.43,1275.34 C50.2@2816.43,1180.34 2877.43,1180.34 2897.43,1160.34 2897.43,937.34 ; v3(3525.44,2190) 3491.75,2190 3459.44,2222.31 3459.44,2364.44 3472.65,2377.65 C53.2@3499.44,2377.65 C52.2@3594.44,2377.65 3594.44,2448.26 3598.57,2452.39 3820.7,2452.39 3834.44,2438.65 U7.5@3834.44,2403.77 ; 3719.44,2455 3719.44,2733.65 UART.1@3729.44,2743.65
  Bottom Layer w10: R6.2@1767.94,958.65 R6.2@1770,960.71 ; C5.2@3227.43,3657.65 3390.44,3657.65 3400.16,3647.92 U1.1@3400.16,3604 3364.79,3604 3348.08,3587.29 U1.48@3348.08,3551.92 3554.37,3551.92 3557.64,3548.65 ; UART.1@3729.44,2743.65 3776.18,2743.65 3784.44,2751.9 3784.44,3306.02 3755.08,3335.38 U1.24@3668.78,3335.38 3574.12,3335.38 3557.64,3351.86 3557.64,3548.65 ; R1.2@3750.94,3843.65 3750.94,3820.15 3709.96,3779.17 3567.96,3779.17 3557.64,3768.85 U1.9@3557.64,3604 3557.64,3548.65
  Bottom Layer w30: E5.1@-945,1665.89 -660.25,1665.89 -660.25,1719.75 -630,1750 -447.36,1750 -364.6,1667.24 R13.1@-364.6,1543.65 -364.6,1504.04 -340,1479.44 v3(-340,1160) ; v3(89.44,699.02) 204.5,699.02 223.63,718.15 223.63,1038.65 243.63,1058.65 v3(599.44,1058.65) ; v3(980,1058.65) v3(1494.44,1058.65) ; R30.2@1135.94,4258.65 v3(1474.44,4258.65) ; R9.2@1685.94,958.65 R6.2@1767.94,958.65 ; R6.2@1770,960.71 v3(1770,1058.65) ; C17.2@2038.44,4203.65 2038.44,4272.65 C16.2@2049.44,4283.65 ; C16.2@2052.94,4280.15 C16.2@2049.44,4283.65 ; U3.2@2069.44,4621.76 U3.2@2069.44,4385.54 ; v3(2129.44,4259.13) 2233.42,4259.13 2244.44,4270.15 2244.44,4385.54 ; v3(2150,1130) 2189.44,1130 2225,1094.44 2225,958.65 ; R7.2@2178.34,961.16 2180.85,958.65 2225,958.65 ; v3(2845,845) 2701.08,845 2654.11,798.03 2654.11,599.68 2638.08,583.65 2469.74,583.65 2449.44,603.95 2449.44,848.65 2426.71,871.38 2225.91,871.38 R5.2@2225.91,875.15 2225.91,958.65 2225,958.65 ; C8.2@2956.43,3668.65 C8.2@2967.43,3657.65 C7.2@3052.43,3657.65 ; R14.1@2963.52,1075.16 2963.52,972.64 v3(2965,971.16) ; E2.1@3053.81,3808.65 3053.81,3659.02 C7.2@3052.43,3657.65 ; C5.2@3227.43,3657.65 C6.2@3137.43,3657.65 ; v2(3236.91,1423.65) 3292.63,1423.65 3310.23,1441.25 R12.2@3310.23,1473.65 3437.22,1473.65 3473.98,1510.4 3473.98,1667.65 ; R18.2@3310.23,1613.63 3305.87,1617.99 C36.1@3305.87,1683.65 3302.37,1687.15 3302.37,1757.63 3286.32,1773.68 E6.1@3286.32,1833.65 3345.42,1833.65 3399.76,1779.31 3454.12,1779.31 3473.98,1759.46 3473.98,1667.65 ; v3@3536.21,2193.2 3553.31,2176.11 3553.31,1816.4 3571.33,1798.38 3571.33,1686.81 3552.16,1667.65 3473.98,1667.65 ; C16.2@2049.44,4283.65 2049.44,4365.54 U3.2@2069.44,4385.54 ; U3.2@2069.44,4385.54 2244.44,4385.54 ; 2244.44,4385.54 2947.04,4385.54 3137.43,4195.15 C6.2@3137.43,3657.65 ; C7.2@3052.43,3657.65 C6.2@3137.43,3657.65
5V: B1.1 C1.2 C2.2 C3.2 C10.2 C11.2 C12.2 C13.2 C15.2 C19.2 C20.2 C21.2 C22.2 C23.2 C24.2 C25.2 C26.2 C30.2 C31.2 C32.2 C33.2 C34.2 C37.2 C38.2 C39.2 C40.2 C41.2 C42.2 C43.2 C44.2 E3.1 E4.1 GRB1.1 GRB2.1 GRB3.1 GRB4.1 GRB5.1 GRB6.1 GRB7.1 GRB8.1 GRB9.1 GRB10.1 GRB11.1 GRB12.1 GRB13.1 GRB14.1 GRB15.1 GRB16.1 GRB17.1 GRB18.1 GRB19.1 GRB20.1 GRB21.1 GRB22.1 GRB23.1 GRB24.1 GRB25.1 GRB26.1 GRB27.1 L1.2 R2.2 R8.2 R10.2 U3.3 U4.10 | length 28661.5
  Top Layer w15: GRB1.1@262.63,429.12 GRB1.1@263.44,428.31 ; C1.2@263.44,348.65 C1.2@269.44,342.65 ; v4(3471.77,1968.65) 3789.44,1968.65 3826.44,1931.65 3826.44,1767.22 3793.34,1734.12 GRB3.1@3733.49,1734.12 3733.44,1734.06 C3.2@3733.44,1663.65
  Top Layer w30: B1.1@-894.24,3608.62 -884.28,3598.65 C37.2@-464.56,3598.65 ; GRB22.1@-594.62,2533.18 -594.56,2533.23 C39.2@-594.56,2608.65 -705.56,2608.65 ; GRB23.1@-464.62,2048.18 -464.56,2048.23 C40.2@-464.56,2128.65 -671.03,2128.65 -705.56,2163.18 -705.56,2608.65 ; v4(-95.56,1426.11) -95.56,1459.77 -100,1464.21 C41.2@-91.56,1472.65 -91.56,1549.06 GRB24.1@-91.51,1549.12 ; C1.2@263.44,348.65 GRB1.1@263.44,428.31 ; GRB25.1@267.08,1199.56 268.44,1198.2 C42.2@268.44,1123.65 v4(344.44,1123.65) ; v4(269.44,308.65) C1.2@269.44,342.65 ; GRB17.1@580.38,4568.18 580.44,4568.23 C32.2@580.44,4648.65 580.44,4879.65 584.44,4883.65 ; GRB26.1@698.96,938.65 GRB26.1@698.49,939.12 698.44,939.06 C43.2@698.44,867.65 ; v4(794.44,938.65) 794.44,896.15 765.93,867.65 C43.2@698.44,867.65 ; GRB16.1@1070.38,4698.18 1070.44,4698.23 C31.2@1070.44,4778.65 1070.44,4882.65 1069.44,4883.65 ; GRB27.1@1188.49,819.12 1188.44,819.06 C44.2@1188.44,733.65 ; v4(1274.44,733.65) C44.2@1188.44,733.65 ; 1569.44,4883.65 1069.44,4883.65 ; GRB15.1@1570.38,4698.18 1570.44,4698.23 C26.2@1570.44,4773.65 1570.44,5039.65 1622.59,5091.8 1857.64,5091.8 1915,5034.44 1915,4788.65 ; E4.1@1611.34,644.28 1689.44,644.28 ; C10.2@1769.44,807.65 1763.34,813.75 GRB4.1@1688.81,813.75 1688.81,644.9 1689.44,644.28 ; v4@2048.08,870 v4(2040,870) 2040,659.84 2050,649.84 2044.44,644.28 ; C25.2@2055.44,4639.12 2055.38,4639.06 GRB14.1@2055.38,4568.26 1949.82,4568.26 1915,4603.08 1915,4788.65 ; E3.1@2403.65,4967.86 2470.22,4967.86 2490.38,4947.7 2490.38,4793.65 ; GRB13.1@2490.38,4313.18 2490.38,4538.65 ; GRB6.1@2611.39,1195.89 2611.39,1123.78 C12.2@2608.44,1120.82 2608.44,944.09 ; GRB2.1@2628.49,429.12 2628.49,353.7 C2.2@2628.44,353.65 2679.44,353.65 2710.08,384.29 v4(2710.08,618.32) 2710.08,665.02 2608.44,766.66 2608.44,944.09 ; GRB12.1@2850.38,3955.36 2855.44,3960.42 C23.2@2855.44,4058.65 2855.44,4502.65 2819.44,4538.65 2490.38,4538.65 ; v4(2895.44,1465) 2893.66,1466.77 2893.66,1493.56 2952.1,1551.99 GRB7.1@2967.49,1551.99 C13.2@3029.44,1551.98 3319.54,1551.98 3356.77,1589.21 3356.77,1604.43 3357.63,1605.29 3357.63,1890.45 3339.44,1908.65 3304.44,1908.65 ; GRB11.1@3219.83,3464.12 C22.2@3219.83,3392.25 ; GRB10.1@3230.38,3038.18 3230.38,3123.12 C21.2@3230.91,3123.65 3230.91,3381.18 C22.2@3223.44,3388.65 C22.2@3219.83,3392.25 ; v4(3350,1970) 3323.35,1970 3304.44,1951.09 3304.44,1908.65 ; -705.56,2608.65 -705.56,3013.65 -681.03,3038.18 GRB21.1@-594.62,3038.18 -594.56,3038.23 C38.2@-594.56,3113.65 -594.56,3504.64 -576.02,3523.18 GRB20.1@-464.62,3523.18 -464.56,3523.23 C37.2@-464.56,3598.65 ; C37.2@-464.56,3598.65 -464.56,3911.36 -412.75,3963.18 GRB19.1@-209.62,3963.18 -209.62,3987.91 -184.56,4012.97 C34.2@-184.56,4035.43 -184.56,4274.65 -151.03,4308.18 GRB18.1@145.38,4308.18 145.38,4378.59 C33.2@150.44,4383.65 99.12,4383.65 79.44,4403.33 79.44,4848.65 114.44,4883.65 584.44,4883.65 ; 584.44,4883.65 1069.44,4883.65 ; C43.2@698.44,867.65 698.44,709.65 718.08,690 1175.79,690 1188.44,702.65 C44.2@1188.44,733.65 ; 1689.44,644.28 2044.44,644.28 ; 1915,4788.65 2485.38,4788.65 2490.38,4793.65 ; 2044.44,644.28 2125.07,644.28 2173.44,692.65 C11.2@2173.44,863.65 2173.44,942.27 GRB5.1@2175.26,944.09 2608.44,944.09 ; 2490.38,4538.65 2490.38,4793.65 ; C22.2@3219.83,3392.25 3411.09,3392.25 3444.44,3358.9 3444.44,2508.65 3409.91,2474.12 GRB9.1@3348.49,2474.12 3348.44,2474.06 C20.2@3348.44,2398.65 3348.44,2349.61 3299.91,2301.08 3299.91,2013 3271.02,1984.12 GRB8.1@3219.83,1984.12 3213.44,1977.72 C19.2@3213.44,1908.65 3304.44,1908.65
  Bottom Layer w30: B1.1@-894.24,3608.62 -894.24,2964.24 -95.56,2165.56 v4(-95.56,1426.11) ; v4@-100,1418.72 -95.56,1423.15 v4(-95.56,1426.11) ; v4(269.44,308.65) 269.44,253.65 289.44,233.65 759.44,233.65 794.44,268.65 794.44,643.65 ; v4(344.44,1123.65) 744.44,1123.65 794.44,1073.65 v4(794.44,938.65) ; v4(1274.44,733.65) 1404.44,733.65 1444.44,693.65 1444.44,652.15 ; U4.10@1811.35,228.65 1853.65,228.65 1895,270 1895,620 1865.35,649.65 C30.2@1856.34,649.65 1745.06,649.65 1729.85,634.43 E4.1@1611.34,634.43 1606.9,630 1535,630 1517.22,647.78 -117.78,647.78 -218.88,748.88 -218.88,1120.33 -103.16,1236.05 -103.16,1327.02 -100.17,1330.01 -100.17,1368.44 -100.25,1368.52 -100.25,1421.43 v4(-95.56,1426.11) ; R10.2@1924.44,871.65 1991.44,871.65 R8.2@1992.94,870.15 1998.49,864.59 2003.9,870 v4(2040,870) ; C15.2@2114.44,4728.65 2164.44,4728.65 ; U3.3@2159.99,4621.76 2159.99,4724.2 2164.44,4728.65 ; L1.2@2251.68,5193.65 2384.44,5193.65 2403.65,5174.43 E3.1@2403.65,4967.86 2470.22,4967.86 2486.32,4951.76 2486.32,4788.65 ; R2.2@2375.94,4790.01 2484.96,4790.01 2486.32,4788.65 ; v4(2710.08,618.32) 2710.08,761.89 2743.19,795 2865.71,795 2914.44,843.73 2914.44,1046.04 2913.69,1046.79 2913.69,1107.5 2914.44,1108.25 2914.44,1119.04 2913.69,1119.79 2913.69,1180.5 2895.44,1198.75 v4(2895.44,1465) ; v4(3350,1970) 3470.42,1970 v4(3471.77,1968.65) ; 2164.44,4728.65 2474.85,4728.65 2486.32,4740.12 2486.32,4788.65
12V: E1.1 E7.1 JP1.5 R3.1 U2.5 VD1.2 | length 2494.4
  Bottom Layer w30: E1.1@1794.44,4958.02 1895,4958.02 ; U2.5@1974.31,4958.64 1973.69,4958.02 1895,4958.02 ; R3.1@1992.94,4838.65 1931.35,4838.65 1895,4875 1895,4958.02
  Bottom Layer w50: JP1.5@514.44,4258.65 514.44,4329.44 555,4370 1609.44,4370 1658.33,4418.9 E7.1@1658.33,4538.65 1658.33,4945.18 1672.63,4959.47 ; VD1.2@1474.99,4959.47 1672.63,4959.47 ; E1.1@1794.44,4958.02 1792.99,4959.47 1672.63,4959.47
Beep: R19.1 U1.38 | length 4585.2
  Bottom Layer w10: R19.1@-520.56,4052.15 -362.06,4052.15 -320.56,4093.65 2661.15,4093.65 2704.44,4050.36 2704.44,3378.65 2728.02,3355.07 U1.38@3348.08,3355.07
CW: JP1.3 U1.39 | length 3443.7
  Bottom Layer w10: JP1.3@714.44,4258.65 714.44,4158.65 749.44,4123.65 2659.44,4123.65 2734.44,4048.65 2734.44,3390.85 2750.54,3374.75 U1.39@3348.08,3374.75
D1: R20.1 U1.16 | length 6010.7
  Bottom Layer w10: R20.1@79.44,1312.72 2693.51,1312.72 2719.44,1338.65 2719.44,2228.65 2789.44,2298.65 3812.87,2298.65 3829.44,2315.22 3829.44,3463.65 3829.44,3468.65 3805.22,3492.86 U1.16@3668.78,3492.86
D2: R21.1 U1.17 | length 2650.4
  Top Layer w10: v2(3080.94,2135.15) v2@3081.84,2136.05 ; v2(3080.94,2328.65) 3080.94,2136.95 v2@3081.84,2136.05 ; v2@3084.44,2138.65 v2@3081.84,2136.05
  Bottom Layer w10: R21.1@3080.94,1666.78 v2(3080.94,2135.15) ; v2(3080.94,2328.65) 3080.94,2360.15 3089.44,2368.65 3799.44,2368.65 3806.34,2375.55 3806.34,3448.65 3781.81,3473.18 U1.17@3668.78,3473.18
ETX_12V: CON1.1 VD1.1 | length 244.6
  Bottom Layer w50: VD1.1@1293.89,4959.47 1293.89,5017.53 1379.44,5103.08 CON1.1@1379.44,5168.65
FG: JP1.1 R30.1 U1.46 | length 3230.4
  Bottom Layer w10: R30.1@1062.94,4258.65 JP1.1@914.44,4258.65 914.44,4199.21 950,4163.65 2676.01,4163.65 2774.44,4065.22 2774.44,3545.56 2807.45,3512.55 U1.46@3348.08,3512.55